# KiCad board TESTMOUNT.kicad_pcb (continued)
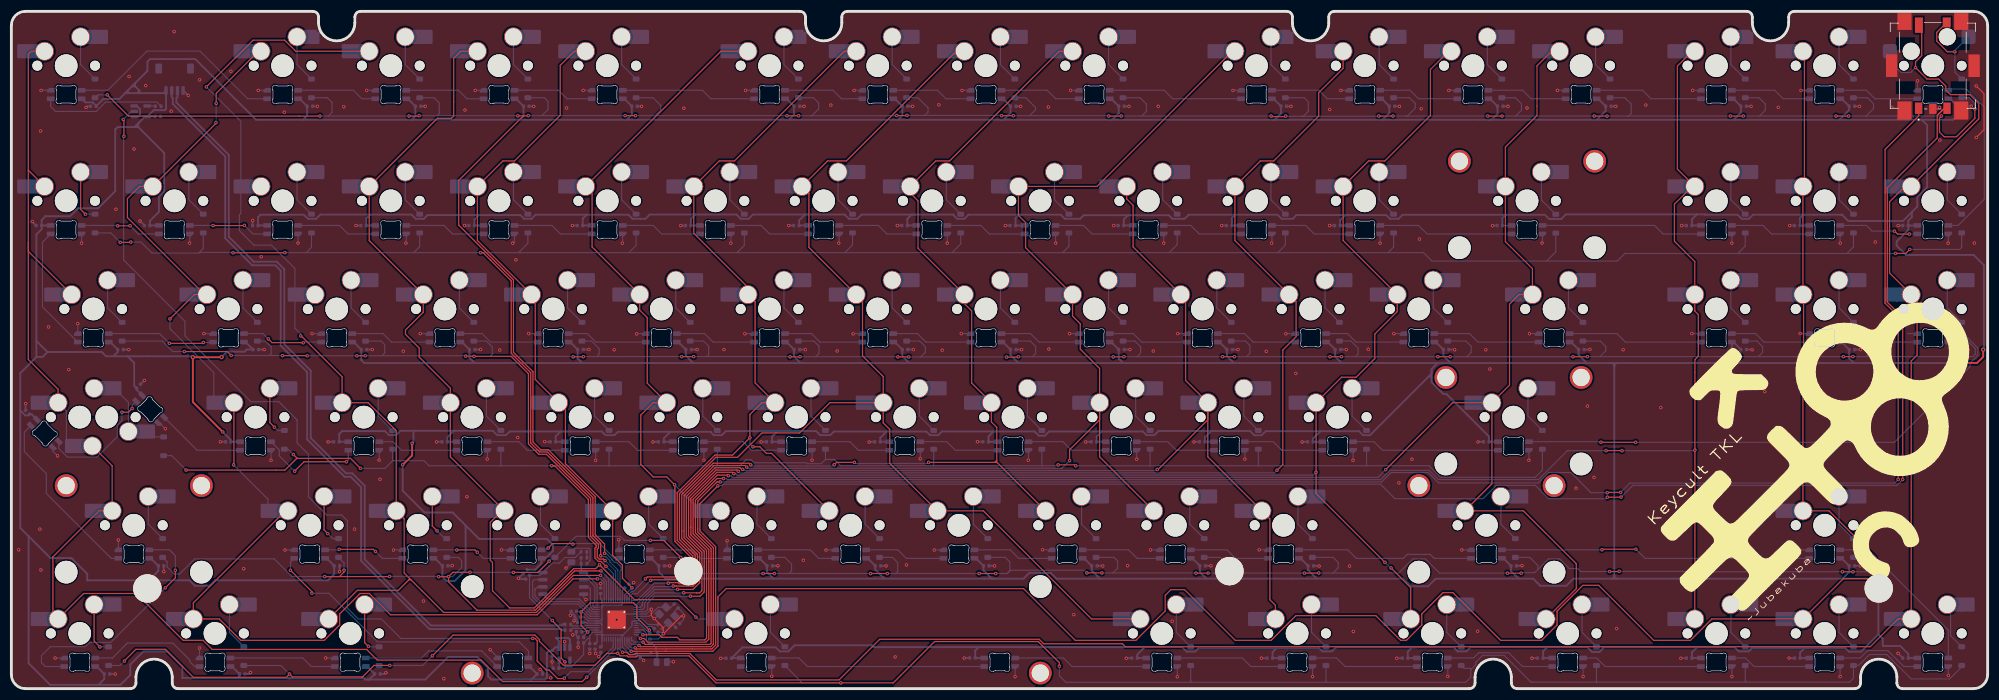
[diagram p0: board, top side]
## Routing (per net, layer and track width the routed paths; a pad name or vN(x,y) marks a point on that pad's centre or on a via; arc(x,y) is an arc through that point) (continued)
/CS_: length 10.6
  Bottom w0.2: U3.56 103.12,18.31 100.97,20.46 100.76,20.46 100.31,20.91 R5.2 100.3,22.03 R4.2 ; 100.34,20.45 100.33,20.46 100.33,21.48
/D+: length 139.6
  Bottom w0.33: R6.2 96.98,11.31 96.79,11.13 73.86,11.13 62.2,22.78 62.2,35.74 60,37.95 58.92,37.95 52.7,44.16 52.7,56.02 48.04,60.68 48.04,73.89 46.73,75.21 42.67,75.21 38.28,79.59 38.28,94.02 29.05,103.26 29.05,104.01 29.24,104.2 J1.3
/D-: length 140.6
  Bottom w0.33: J1.2 28.24,104.2 28.42,104.01 28.42,102.99 37.65,93.76 37.65,79.33 42.41,74.58 46.47,74.58 47.41,73.63 47.41,60.42 52.07,55.76 52.07,43.9 58.66,37.32 59.74,37.32 61.57,35.48 61.57,22.52 73.6,10.5 96.79,10.5 96.98,10.31 R7.1
/RGBD: length 22.2
  Bottom w0.2: R1.2 25.61,103.34 16.61,103.34 14.95,101.68 7.78,101.68 6.93,102.54 LED1.3
/ROTDI: length 17.1
  Top w0.2: S1.E 338.95,115.61 338.95,114.06 340.82,112.19 v1(342.14,112.19)
  Bottom w0.2: 342.14,112.41 v1(342.14,112.19) ; 342.14,112.41 MX16.2 ; 342.14,112.41 342.14,108.59 D16.2
/RUN_: length 7.9
  Bottom w0.2: TP1.2 113.65,4.76 R2.2 ; U3.26 110.43,10.34 110.43,10.34 111.18,10.34 111.8,9.72 111.8,8.41 112.21,8 112.74,8 113.49,7.25 113.49,6.55
/SCLK_: length 15
  Bottom w0.2: U3.52 102.07,13.14 99.9,15.32 93.17,15.32 92.18,16.31 92.18,17.52 92.2,17.52 92.61,17.92 93.55,17.92
/SD0_: length 10.9
  Bottom w0.2: 102.57,13.54 102.24,13.54 99.96,15.82 94.39,15.82 93.55,16.65 ; 102.57,13.54 102.65,13.54 ; 102.57,13.54 U3.53
/SD1_: length 6.9
  Bottom w0.2: U3.55 102.57,14.34 102.38,14.53 102.38,14.94 102.72,15.27 102.72,18.04 101.57,19.19 100.76,19.19
/SD2_: length 5.8
  Bottom w0.2: U3.54 102.45,13.94 102.42,13.97 102.38,13.97 101.93,14.42 101.93,17.56 101.57,17.92 100.76,17.92
/SD3_: length 17.4
  Bottom w0.2: 93.55,19.19 92.03,19.19 91.77,18.94 91.77,16.14 93,14.92 99.73,14.92 101.89,12.76 101.89,12.74 U3.51
/VFused_: length 2516.7
  Top w0.33: v2(37.01,58.41) 36.99,58.39 v2(31.95,58.39) 31.95,50.49 v1(37.23,45.21) ; v1(68.89,39.43) 70.55,41.09 v1(70.55,43.22) ; v2(342.89,57.38) 346.05,57.38 347.13,58.46 347.13,59.74
  Bottom w0.2: 171.26,5.41 LED90.1 ; LED31.1 264.08,81.58 C-RGB31.2 ; 342.86,57.35 v2(342.89,57.38)
  Bottom w0.33: 230.45,45.35 237.26,45.35 237.94,44.66 239.19,44.66 249.51,54.98 ; 230.45,45.35 229.17,44.07 C-RGB64.2 229.19,43.5 LED64.1 ; 230.45,45.35 220.83,45.35 220.12,44.64 218.82,44.64 218.07,45.39 211.18,45.39 ; 282.18,19.89 282.18,56.78 ; 282.18,19.89 282.18,19.86 arc(282.04,19.51) 281.69,19.37 ; 282.18,19.89 282.18,19.37 ; 282.18,19.89 arc(282.33,19.52) 282.7,19.37 282.77,19.37 ; 260.06,100.21 279.16,100.21 ; 260.06,100.21 241.46,100.21 ; 260.06,100.21 260.58,100.21 261.62,101.24 C-RGB12.2 260.31,103.91 LED12.1 ; 20.45,58.56 21.62,57.39 21.62,53.36 C-RGB52.2 22.04,52.67 LED52.1 ; 20.45,58.56 31.78,58.56 v2(31.95,58.39) ; 20.45,58.56 18.09,58.56 ; 3.03,26.86 1.57,28.32 1.57,49.01 ; 3.03,26.86 3.03,4.48 6.84,0.67 15.35,0.67 ; 3.03,26.86 6.89,23 10.59,23 13.36,20.22 13.36,19.08 24.23,19.08 ; 39.8,1.9 40.08,1.9 ; 39.8,1.9 30.11,1.9 30.11,3.89 27.45,6.55 23.24,6.55 20.94,4.25 20.94,2.4 19.21,0.67 15.35,0.67 ; 39.8,1.9 39.89,1.9 40.08,2.09 ; 40.08,1.9 40.08,2.09 ; 40.08,1.9 61.92,1.9 61.95,1.93 62.27,1.61 62.76,1.61 ; 22.56,105.33 22.26,105.03 22.26,104.91 ; 22.56,105.33 21.77,106.12 ; 22.56,105.33 22.56,104.91 ; 296.76,83.55 296.73,83.55 295.84,82.66 C-RGB32.2 295.86,81.6 LED32.1 ; 296.76,83.55 273.66,83.55 272.85,82.74 270.69,82.74 269.96,83.47 263.09,83.47 ; 296.76,83.55 298.14,83.55 298.21,83.48 303.9,83.48 304.62,82.76 305.87,82.76 306.59,83.48 315.76,83.48 ; 78.05,45.42 77.87,45.42 77.69,45.24 ; 78.05,45.42 84.77,45.42 85.53,44.66 87.08,44.66 87.73,45.31 96.61,45.31 ; 78.05,45.42 77.69,45.42 ; 322.35,19.37 322.35,19.39 323.54,20.58 C-RGB78.2 322.22,22.95 LED78.1 ; 322.35,19.37 326.75,19.37 328.68,17.44 328.68,9.56 ; 322.35,19.37 282.77,19.37 ; 250.02,54.8 249.84,54.98 249.51,54.98 ; 250.02,54.8 250.02,53.99 252.1,51.91 252.64,51.91 260.12,44.42 C-RGB65.2 260.14,43.5 LED65.1 ; 250.02,54.8 250.02,56.12 ; 154.06,45.29 161.09,45.29 161.72,44.66 163.18,44.66 163.83,45.31 172.85,45.31 ; 154.06,45.29 144.8,45.29 144.17,44.66 142.4,44.66 141.7,45.36 135.52,45.36 ; 154.06,45.29 154.06,45.28 152.97,44.19 C-RGB60.2 152.99,43.5 LED60.1 ; LED70.1 112.67,22.95 C-RGB70.2 113.98,20.58 115.19,19.37 134.2,19.37 ; 304.98,57.35 324.38,57.35 ; 304.98,57.35 304.15,57.35 302.89,58.61 LED49.1 303.17,61.05 C-RGB49.2 ; 304.98,57.35 282.75,57.35 ; 303.26,100.21 321.86,100.21 ; 303.26,100.21 303.26,100.28 304.49,101.51 C-RGB14.2 303.17,103.91 LED14.1 ; 303.26,100.21 279.16,100.21 ; LED27.1 195.85,81.6 C-RGB27.2 195.83,82.65 196.58,83.41 196.96,83.41 ; 120.46,83.52 112.38,83.52 111.63,82.76 109.35,82.76 108.64,83.48 101.26,83.48 ; 120.46,83.52 120.4,83.52 119.63,82.75 C-RGB23.2 119.65,81.6 LED23.1 ; 120.46,83.52 127.65,83.52 128.4,82.76 129.79,82.76 130.55,83.52 139.86,83.52 ; 134.2,19.37 133.03,20.54 C-RGB71.2 131.72,22.95 LED71.1 ; 134.2,19.37 153.68,19.37 ; 211.18,45.39 211.18,45.34 210.12,44.28 C-RGB63.2 210.14,43.5 LED63.1 ; 211.18,45.39 201.95,45.39 201.22,44.66 199.84,44.66 199.22,45.29 199.22,45.3 191.91,45.3 ; 79.97,28.75 77.69,31.03 72.72,31.03 68.89,34.86 v1(68.89,39.43) ; 79.97,28.75 82.35,26.37 94.31,26.37 95.36,25.32 95.36,24.3 94.01,22.95 LED69.1 93.34,22.1 92.19,20.95 C-RGB69.2 ; 79.97,28.75 79.97,20.89 78.04,18.96 76.68,18.96 75.88,19.76 C-RGB68.2 74.57,22.95 LED68.1 ; 20.38,105.26 20.61,105.03 20.61,104.91 ; 20.38,105.26 21.24,106.12 ; 20.38,105.26 20.03,104.91 ; 139.86,83.52 139.7,83.52 138.68,82.5 C-RGB24.2 138.7,81.6 LED24.1 ; 139.86,83.52 146.7,83.52 147.45,82.76 148.92,82.76 149.66,83.51 159.06,83.51 ; LED54.1 38.69,43.5 C-RGB54.2 38.67,43.77 v1(37.23,45.21) ; 321.86,100.21 321.86,100.28 323.54,101.96 C-RGB15.2 322.22,103.91 LED15.1 ; 321.86,100.21 336.33,100.21 ; 281.42,57.35 277.33,57.35 ; 281.42,57.35 281.61,57.35 arc(282.01,57.18) 282.18,56.78 ; 281.42,57.35 282.12,57.35 ; 138.96,57.35 137.8,58.51 C-RGB41.2 136.48,61.05 LED41.1 ; 138.96,57.35 158.07,57.35 ; 138.96,57.35 120.04,57.35 ; 215.46,83.48 214.88,82.9 C-RGB28.2 214.9,81.6 LED28.1 ; 215.46,83.48 222.91,83.48 223.63,82.76 225.57,82.76 226.23,83.43 235.16,83.43 ; 215.46,83.48 207.26,83.48 206.54,82.76 204.4,82.76 203.76,83.41 196.96,83.41 ; 282.18,19.37 282.77,19.37 ; 282.18,19.37 281.69,19.37 ; 120.04,57.35 100.5,57.35 ; 120.04,57.35 118.74,58.65 C-RGB40.2 117.43,61.05 LED40.1 ; 193.66,100.21 222.16,100.21 ; 193.66,100.21 193.78,100.21 194.95,101.37 C-RGB9.2 193.63,103.91 LED9.1 ; 193.66,100.21 174.26,100.21 ; 100.5,57.35 99.69,58.16 C-RGB39.2 98.38,61.05 LED39.1 ; 100.5,57.35 81.58,57.35 ; 89.56,100.21 70.46,100.21 ; 89.56,100.21 90.17,100.81 C-RGB4.2 88.86,103.91 LED4.1 ; 89.56,100.21 108.26,100.21 ; LED88.1 314.91,5.4 314.89,5.38 314.89,6.35 315.72,7.18 ; LED75.1 207.92,22.95 C-RGB75.2 209.23,20.53 210.39,19.37 ; 336.33,100.21 337.26,99.28 337.26,88.34 335.54,86.61 335.54,84.93 334.57,83.97 ; 336.33,100.21 341.78,100.21 342.59,101.01 C-RGB16.2 341.27,103.91 LED16.1 ; 296.74,7.27 280.15,7.27 280.15,7.04 279.57,6.46 278.28,6.46 277.45,7.29 270.35,7.29 ; 296.74,7.27 303.39,7.27 304.1,6.56 305.87,6.56 306.21,6.9 306.21,7.04 306.35,7.18 315.72,7.18 ; 296.74,7.27 295.84,6.37 C-RGB87.2 295.86,5.4 LED87.1 ; 158.07,57.35 177.32,57.35 ; 158.07,57.35 156.85,58.57 C-RGB42.2 155.53,61.05 LED42.1 ; 153.68,19.37 152.08,20.97 C-RGB72.2 150.77,22.95 LED72.1 ; 153.68,19.37 173.25,19.37 ; 191.62,19.37 183.98,19.37 182.96,20.39 179.21,20.39 178.19,19.37 173.25,19.37 ; 191.62,19.37 210.39,19.37 ; 191.62,19.37 190.18,20.81 C-RGB74.2 188.87,22.95 LED74.1 ; 40.08,2.09 40.16,2.17 C-RGB80.2 38.85,3.9 LED80.1 ; C-RGB17.2 5.33,80.95 4.41,80.03 4.41,61.26 ; C-RGB17.2 5.33,82.55 6.01,83.23 10.36,83.23 11.76,84.63 15.28,84.63 18.28,87.63 18.28,98.53 18.31,98.53 18.71,98.93 21.68,98.93 ; C-RGB17.2 5.35,81.6 LED17.1 ; 101.26,83.48 92.28,83.48 92.28,83.49 91.56,82.76 90.28,82.76 89.58,83.46 89.56,83.43 82.36,83.43 ; 101.26,83.48 100.58,82.8 C-RGB22.2 100.6,81.6 LED22.1 ; 81.58,57.35 80.64,58.29 C-RGB38.2 79.33,61.05 LED38.1 ; 81.58,57.35 62.14,57.35 61.59,57.9 C-RGB37.2 60.28,61.05 LED37.1 ; 315.72,7.18 322.83,7.18 323.51,6.5 325.62,6.5 328.68,9.56 ; 21.77,106.12 21.51,106.38 ; 21.77,106.12 21.77,106.65 ; 21.77,106.12 21.24,106.12 ; 21.51,106.38 21.77,106.65 ; 21.51,106.38 21.24,106.12 ; 82.36,83.43 73.26,83.43 72.59,82.76 71.2,82.76 70.46,83.51 63.16,83.51 ; 82.36,83.43 82.31,83.43 81.53,82.65 C-RGB21.2 83.11,81.58 LED21.1 ; 172.85,45.31 180.13,45.31 180.88,44.56 181.94,44.56 182.68,45.3 191.91,45.3 ; 172.85,45.31 172.85,45.25 172.02,44.42 C-RGB61.2 173.59,43.48 LED61.1 ; 22.26,104.91 20.61,104.91 ; 22.26,104.91 22.56,104.91 ; 20.61,104.91 20.03,104.91 ; 96.61,45.31 96.61,45.25 95.82,44.46 C-RGB57.2 95.84,43.5 LED57.1 ; 96.61,45.31 103.93,45.31 104.58,44.66 106.18,44.66 106.77,45.25 115.99,45.25 ; 62.76,1.61 72.9,1.61 76.88,5.59 82.03,5.59 83.93,3.69 83.93,2.17 84.5,1.6 91.32,1.6 ; 62.76,1.61 63,1.61 C-RGB81.2 62.66,3.9 LED81.1 ; LED47.1 250.78,61.05 C-RGB47.2 252.1,58.63 253.38,57.35 ; 22.33,98.93 26.91,94.36 26.91,87.63 25.98,86.7 25.98,84 24.38,82.4 C-RGB18.2 24.4,81.6 LED18.1 ; 22.33,98.93 22.33,99.58 22.46,99.71 ; 22.33,98.93 22.01,99.26 ; 22.33,98.93 21.68,98.93 ; 156.06,100.21 136.86,100.21 ; 156.06,100.21 174.26,100.21 ; 156.06,100.21 156.85,100.99 C-RGB7.2 155.53,103.91 LED7.1 ; 70.79,45.42 70.79,43.46 v1(70.55,43.22) ; 70.79,45.42 68.5,45.42 67.74,44.66 66.48,44.66 65.77,45.37 58.24,45.37 57.72,44.85 C-RGB55.2 57.74,43.5 LED55.1 ; 70.79,45.42 77.69,45.42 ; 173.25,19.37 172.59,19.37 171.13,20.83 C-RGB73.2 169.82,22.95 LED73.1 ; 174.26,100.21 174.68,100.21 175.9,101.42 C-RGB8.2 174.58,103.91 LED8.1 ; 196.96,83.41 188.78,83.41 188.14,82.76 185.48,82.76 184.76,83.48 177.76,83.48 ; 333.96,81.6 C-RGB34.2 ; C-RGB34.2 335.52,81.58 LED34.1 ; C-RGB34.2 333.94,82.44 334.57,83.07 334.57,83.97 ; C-RGB34.2 333.94,80.83 331.9,78.79 331.9,78.05 333.54,76.4 345.45,76.4 347.26,74.59 347.26,59.74 347.13,59.74 ; 250.94,57.35 250.94,57.21 250.02,56.29 250.02,56.12 ; 250.94,57.35 234.19,57.35 ; 250.94,57.35 253.38,57.35 ; 4.41,58.42 4.41,61.26 ; 4.41,58.42 1.57,55.58 1.57,49.01 ; 4.41,58.42 5.47,58.42 6.36,59.31 ; 4.41,61.26 6.36,59.31 ; 170.29,7.32 199.53,7.32 ; 170.29,7.32 151.8,7.32 151.48,7.64 137.88,7.64 136.8,6.56 135.27,6.56 134.56,7.27 128.69,7.27 C-RGB92.2 126.82,5.4 LED92.1 ; 170.29,7.32 169.68,6.71 C-RGB90.2 169.69,5.4 LED90.1 ; 199.53,7.32 198.21,6 C-RGB83.2 198.23,5.4 LED83.1 ; 199.53,7.32 206.1,7.32 206.89,6.53 208.39,6.53 208.97,7.11 222.7,7.11 ; LED2.1 50.75,103.91 C-RGB2.2 52.07,100.91 51.36,100.21 ; 281.69,19.37 274.98,19.37 273.72,18.11 269.17,18.11 267.91,19.37 265.35,19.37 ; 215.22,57.35 234.19,57.35 ; 215.22,57.35 195.73,57.35 ; 215.22,57.35 214,58.57 C-RGB45.2 212.68,61.05 LED45.1 ; LED48.1 274.6,61.05 C-RGB48.2 275.91,58.77 277.33,57.35 ; 115.99,45.25 115.99,45.24 114.87,44.12 C-RGB58.2 114.89,43.5 LED58.1 ; 115.99,45.25 123.14,45.25 123.14,45.17 123.64,44.66 125.08,44.66 125.78,45.36 135.52,45.36 ; LED51.1 341.27,61.05 C-RGB51.2 342.59,57.68 v2(342.89,57.38) ; 108.26,100.21 136.86,100.21 ; 108.26,100.21 109.22,101.17 C-RGB5.2 107.91,103.91 LED5.1 ; 136.86,100.21 137.76,101.11 137.76,102.56 C-RGB6.2 136.48,103.91 LED6.1 ; 222.7,7.11 230.25,7.11 230.8,6.56 232.46,6.56 233.18,7.28 247.28,7.28 ; 222.7,7.11 222.02,6.43 C-RGB84.2 222.04,5.4 LED84.1 ; 247.28,7.28 246.62,7.28 245.84,6.5 C-RGB85.2 245.86,5.4 LED85.1 ; 247.28,7.28 254.02,7.28 254.06,7.32 254.06,7.11 254.61,6.56 256.15,6.56 256.88,7.29 270.35,7.29 ; 177.76,83.48 168.48,83.48 167.77,82.76 166.5,82.76 165.86,83.41 165.86,83.51 159.06,83.51 ; 177.76,83.48 177.36,83.48 176.78,82.9 C-RGB26.2 178.36,81.58 LED26.1 ; 6.36,59.31 15.91,59.31 16.66,58.56 18.09,58.56 ; 334.57,83.97 332.98,82.38 323.39,82.38 322.23,83.53 322.18,83.48 315.76,83.48 ; 270.35,7.29 269.65,6.59 C-RGB86.2 269.67,5.4 LED86.1 ; 12.65,103.91 LED1.1 13.01,103.28 14.32,103.28 14.93,102.67 C-RGB1.2 16.21,103.88 19.01,103.88 20.03,104.91 ; 315.76,83.48 315.46,83.48 314.89,82.91 314.89,81.58 316.47,81.58 LED33.1 ; 15.35,0.67 15.35,0.68 16.35,1.68 C-RGB79.2 15.03,3.9 LED79.1 ; 328.68,9.56 329.46,8.78 329.46,7.51 332.55,7.51 333.94,6.12 C-RGB89.2 333.96,5.4 LED89.1 ; LED50.1 322.22,61.05 C-RGB50.2 323.54,58.19 324.38,57.35 ; 77.69,45.24 76.77,44.32 C-RGB56.2 76.79,43.5 LED56.1 ; 77.69,45.24 77.69,45.42 ; 282.18,56.78 282.18,57.29 282.12,57.35 ; 282.18,56.78 arc(282.35,57.18) 282.75,57.35 ; 63.16,83.51 63.16,83.48 62.48,82.8 C-RGB20.2 62.5,81.6 LED20.1 ; 63.16,83.51 54.38,83.51 53.64,82.76 52.2,82.76 51.49,83.48 43.86,83.48 43.43,83.05 C-RGB19.2 43.45,81.6 LED19.1 ; 191.91,45.3 191.91,45.29 191.07,44.45 C-RGB62.2 191.09,43.5 192.66,43.5 ; 18.09,58.56 18.09,58.69 18.73,59.33 C-RGB35.2 17.42,61.05 LED35.1 ; 279.16,100.21 279.16,100.28 280.67,101.79 C-RGB13.2 279.36,103.91 LED13.1 ; LED10.1 222.21,103.91 C-RGB10.2 223.52,101.34 222.38,100.21 222.16,100.21 ; LED25.1 157.75,81.6 C-RGB25.2 157.73,82.75 158.48,83.51 159.06,83.51 ; 51.36,100.21 43.08,100.21 32.38,110.91 24.43,110.91 23.95,110.42 23.95,108.82 21.77,106.65 ; 51.36,100.21 70.46,100.21 ; 135.52,45.36 134.87,45.36 133.92,44.41 C-RGB59.2 133.94,43.5 135.51,43.5 ; 22.56,104.91 26.78,104.91 J1.1 27.24,102.14 27,101.91 25.07,101.91 U1.5 ; 210.39,19.37 229.8,19.37 ; 22.01,99.26 21.68,98.93 ; 22.01,99.26 22.46,99.71 ; 24.23,19.08 31.36,19.08 32.33,18.11 34.91,18.11 35.88,19.08 55.75,19.08 56.83,20.16 C-RGB67.2 55.52,22.95 LED67.1 ; 24.23,19.08 24.23,19.11 25.87,20.75 C-RGB66.2 24.56,22.95 LED66.1 ; 91.32,1.6 91.57,1.6 C-RGB82.2 91.23,3.9 LED82.1 ; 91.32,1.6 94,1.6 94.27,1.87 94.27,6.27 94.72,6.72 C18.1 95.77,7.29 U4.1 96.44,8.39 96.43,8.39 95.88,8.94 98.04,8.94 98.34,8.64 U4.3 ; U1.5 23.96,100.81 C1.2 ; U1.5 23.5,100.75 22.46,99.71 ; 253.38,57.35 277.33,57.35 ; LED11.1 241.26,103.91 C-RGB11.2 242.57,101.39 241.46,100.28 241.46,100.21 ; 1.57,49.01 2.44,48.13 2.96,48.13 C-RGB53.2 3.54,48.35 LED53.1 ; 282.12,57.35 282.75,57.35 ; 234.19,57.35 233.05,58.49 C-RGB46.2 231.73,61.05 LED46.1 ; 195.73,57.35 194.95,58.13 C-RGB44.2 193.63,61.05 LED44.1 ; 195.73,57.35 177.32,57.35 ; 177.32,57.35 175.9,58.77 C-RGB43.2 174.58,61.05 LED43.1 ; 265.35,19.37 264,20.72 C-RGB77.2 262.69,22.95 LED77.1 ; 265.35,19.37 250.75,19.37 249.4,18.02 246.43,18.02 245.08,19.37 229.8,19.37 ; LED36.1 41.23,61.05 C-RGB36.2 41.44,59.74 41.07,59.36 37.96,59.36 v2(37.01,58.41) ; 241.46,100.21 222.16,100.21 ; 229.8,19.37 228.28,20.89 C-RGB76.2 226.97,22.95 LED76.1 ; 263.09,83.47 262.51,82.9 C-RGB31.2 ; 263.09,83.47 244.91,83.47 244.21,82.76 242.7,82.76 242.04,83.43 235.16,83.43 ; 235.16,83.43 234.81,83.43 233.93,82.55 C-RGB29.2 233.95,81.6 LED29.1 ; 324.38,57.35 342.86,57.35 ; 250.02,56.12 250.02,55.49 249.51,54.98 ; LED3.1 69.8,103.91 C-RGB3.2 71.12,100.86 70.46,100.21
  vias: v2(347.13,59.72)
/XIN_: length 7.6
  Bottom w0.2: U3.20 112.25,12.74 113.85,14.34 Y1.3 116.14,14.34 C20.2
/XOUT_: length 4.3
  Bottom w0.2: U3.21 110.97,12.34 112.01,11.3 R8.2
GP0: length 220.3
  Top w0.2: MX2.1 43.48,112.28 36.06,104.87 v1(36.06,103.09) ; v1(27.92,65.14) 32.2,69.42 MX36.1 34,69.42 20.43,82.99 20.43,86.34 22.56,88.47 MX18.1 36.02,99.6 v1(36.02,99.71) ; v1(39.12,39.41) 39.18,39.47 MX54.1 ; 48.7,31.32 48.24,31.32 32.03,15.12 MX80.1 36.62,12.27 40.39,8.5 55.08,8.5 57.8,11.22 57.8,13.17 61.39,16.76 63,16.76 66.75,13.02 92.57,13.02 98.89,19.34 v1(103.17,19.34)
  Bottom w0.2: v1(36.06,103.09) 36.06,99.75 v1(36.02,99.71) ; U3.2 104.36,18.74 103.76,19.34 v1(103.17,19.34) ; MX54.1 35.63,55.69 27.92,63.4 v1(27.92,65.14) ; v1(39.12,39.41) 45.15,33.38 MX67.1
GP1: length 203.8
  Top w0.2: v1(103.73,19.94) 98.92,19.94 92.4,13.42 76.1,13.42 70.34,19.18 ; 70.09,19.44 70.09,19.28 69.99,19.18 ; 70.09,19.44 69.15,20.37 69.15,29.92 MX68.1 67.75,45.43 62.81,50.37 MX55.1 58.23,54.94 51.02,62.14 v1(50.94,62.14) ; 70.09,19.44 70.34,19.18 ; 70.34,19.18 69.99,19.18 ; 69.99,19.18 68.14,17.33 60.91,17.33 MX81.1 ; v1(34.33,106.01) 42.55,114.23 48.12,114.23 50.07,112.28 MX3.1
  Bottom w0.2: MX19.1 MX19.1 ; MX19.1 40.39,83.71 40.13,83.45 40.13,80.71 42.72,78.12 45.8,78.12 49.92,74 MX37.1 49.92,63.51 50.94,62.49 v1(50.94,62.14) ; MX19.1 40.39,99.95 v1(34.33,106.01) ; v1(103.73,19.94) 104.76,18.91 U3.3
GP2: length 418
  Top w0.2: v1(230.15,20.37) 230.13,20.35 v1(227.63,20.35) ; v1(208.54,20.34) 210.67,20.34 v1(210.68,20.35) ; v1(76.96,19.74) 77.72,20.5 v1(80.74,20.5) ; v1(76.96,19.74) 76.96,18.83 81.97,13.82 92.24,13.82 99.15,20.74 v1(103.78,20.74) ; v1(76.96,19.74) 76.94,19.72 v1(75.22,19.72) ; v1(170.37,20.28) v1(173.31,20.28) ; v1(263.37,20.34) 265.79,20.34 v1(265.79,20.34) ; v1(112.48,26.12) 114.84,26.12 v1(117.85,23.11) ; v1(322.35,20.59) v1(324.2,20.59) ; v1(281.37,20.63) 283.02,20.63 v1(283.05,20.66) ; v1(88.38,20.47) 92.69,20.47 v1(94.68,22.46) ; v1(151.26,20.28) v1(154.21,20.28) ; v1(66.59,19.77) 66.56,19.75 v1(55.16,19.75) 57.76,19.75 58.56,20.54 v1(58.56,20.84) ; v1(191.98,20.39) 191.97,20.4 v1(189.34,20.4) ; v1(132.34,20.28) v1(134.33,20.28)
  Bottom w0.2: v1(88.38,20.47) 88.35,20.5 v1(80.74,20.5) ; v1(112.48,26.12) 107.92,26.12 107.2,26.84 99.4,26.84 D69.1 95.35,23.13 v1(94.68,22.46) ; D75.1 212.85,23.13 213.7,22.28 213.7,20.78 213.27,20.35 ; 155.67,20.28 156.04,20.65 156.04,22.19 155.1,23.13 D72.1 ; 155.67,20.28 v1(170.37,20.28) ; 155.67,20.28 v1(154.21,20.28) ; 294.24,20.66 294.31,20.59 v1(322.35,20.59) ; 294.24,20.66 294.36,20.66 ; 294.24,20.66 v1(283.05,20.66) ; 175.3,20.28 175.78,20.76 175.78,22.31 174.96,23.13 D73.1 ; 175.3,20.28 175.88,20.86 188.88,20.86 v1(189.34,20.4) ; 175.3,20.28 v1(173.31,20.28) ; 268.75,21 268.75,21.69 267.31,23.13 D77.1 ; 268.75,21 270.62,22.87 272.56,22.87 274.28,21.15 275.74,21.15 276.26,20.63 v1(281.37,20.63) ; 268.75,21 268.19,20.44 265.89,20.44 v1(265.79,20.34) ; 136.87,20.28 v1(151.26,20.28) ; 136.87,20.28 v1(134.33,20.28) ; 136.87,20.28 137.35,20.76 137.35,21.95 136.17,23.13 D71.1 ; v1(263.37,20.34) 263.36,20.35 251.44,20.35 248.92,22.87 246.76,22.87 244.26,20.37 232.67,20.37 ; v1(76.96,19.74) 77.67,19.74 79.26,21.33 79.26,22.54 78.67,23.13 D68.1 ; v1(103.78,20.74) 105.16,19.36 U3.4 ; 213.27,20.35 v1(227.63,20.35) ; 213.27,20.35 v1(210.68,20.35) ; D78.1 326.14,23.13 327.2,22.07 327.2,21.25 326.54,20.59 v1(324.2,20.59) ; D66.1 27.41,22.35 27.41,21.46 28.69,20.18 29.59,20.18 32.28,22.87 46.27,22.87 49.39,19.75 v1(55.16,19.75) ; v1(191.98,20.39) 193.94,20.39 ; 193.94,20.39 208.49,20.39 v1(208.54,20.34) ; 193.94,20.39 194.75,21.2 194.75,22.5 194.12,23.13 D74.1 ; 232.67,20.37 v1(230.15,20.37) ; 232.67,20.37 233.58,21.28 233.58,22.24 232.69,23.13 D76.1 ; v1(66.59,19.77) 66.6,19.78 75.15,19.78 v1(75.22,19.72) ; D70.1 117.83,23.13 v1(117.85,23.11) 120.68,20.28 v1(132.34,20.28) ; D67.1 58.56,22.16 v1(58.56,20.84)
GP3: length 174.5
  Top w0.2: v1(120.51,12.59) 117.42,15.68 109.69,15.68 v1(103.55,21.82) 102.87,21.14 98.99,21.14 92.07,14.22 87.72,14.22 84.7,17.24 84.7,22.23 84.31,22.62 84.31,29.29 86.34,31.32 MX69.1 77.28,40.84 MX56.1 77.28,52.93 71.8,58.41 71.8,60 69.38,62.42 69.38,63.17 72.53,66.32 72.52,66.33 MX38.1 62.99,78.94 MX20.1 74.99,100.47 77.46,100.47 77.86,100.87 77.86,103.36 77.87,103.37 77.87,111.05 79.1,112.28 MX4.1
  Bottom w0.2: U3.5 105.56,19.81 v1(103.55,21.82) ; v1(120.51,12.59) 120.83,12.27 MX82.1
GP4: length 312.1
  Top w0.2: v1(95.11,39.26) 95.64,39.26 101.58,33.33 101.58,26.63 102.94,25.27 102.94,24.94 102.74,24.74 102.74,23.01 103.33,22.42 103.8,22.42 v1(104.68,21.53) ; 50.24,40.57 59.69,40.57 v1(61.45,38.81) ; 50.24,40.57 50.24,40.65 v1(49.65,41.24) ; 50.24,40.57 48.17,38.5 v1(30.77,38.5) ; v1(187.38,39.26) 187.22,39.42 v1(184.28,39.42)
  Bottom w0.2: D62.1 200.47,39.29 200.44,39.26 ; 67.12,40.16 D55.1 ; 67.12,40.16 65.77,38.81 v1(61.45,38.81) ; 67.12,40.16 72.62,40.16 73.52,39.26 86.23,39.26 ; 181.41,39.26 181.42,39.27 D61.1 ; 181.41,39.26 184.18,39.26 184.18,39.32 v1(184.28,39.42) ; 181.41,39.26 162.39,39.26 ; D53.1 28.23,41.04 v1(30.77,38.5) ; 105.21,39.26 86.23,39.26 ; 105.21,39.26 124.25,39.26 ; 105.21,39.26 105.22,39.27 D57.1 ; 219.57,39.26 238.65,39.26 ; 219.57,39.26 200.44,39.26 ; 219.57,39.26 219.52,39.31 D63.1 ; 238.65,39.26 249.54,39.26 251.57,37.23 268.26,37.23 269.52,38.49 D65.1 ; 238.65,39.26 238.57,39.34 D64.1 ; 200.44,39.26 v1(187.38,39.26) ; D54.1 48.71,42.18 v1(49.65,41.24) ; D60.1 162.37,39.28 162.39,39.26 ; 162.39,39.26 146.01,39.26 144.89,40.38 143.32,40.38 ; 86.23,39.26 86.17,39.32 D56.1 ; 143.32,40.38 142.57,39.63 140.13,39.63 139.97,39.79 130.75,39.79 130.21,40.33 129.33,40.33 128.26,39.26 124.25,39.26 ; 143.32,40.38 D59.1 ; v1(104.68,21.53) 105.96,20.26 U3.6 ; 124.25,39.26 124.27,39.28 D58.1
GP5: length 476
  Top w0.2: v1(195.86,58.48) 195.83,58.45 v1(193.97,58.45) ; v1(60.82,58.63) 62.3,58.63 v1(62.31,58.64) ; 341.53,58.49 v1(341.53,58.49) v1(343.64,58.49) 343.65,58.49 ; v1(302.03,58.49) v1(304.39,58.49) ; v1(253.3,58.47) 253.29,58.48 v1(251.12,58.48) ; v1(52.08,58.64) 52.06,58.66 v1(47.74,58.66) ; v1(232.14,58.48) v1(234.15,58.48) ; v1(156.05,58.44) v1(157.97,58.44) ; v1(137.08,58.45) 138.81,58.45 v1(138.84,58.48) ; v1(38.7,58.7) 38.01,59.38 v1(30.44,59.38) ; v1(324.2,58.5) 324.19,58.49 v1(322.51,58.49) ; v1(100.7,58.47) 100.69,58.46 v1(98.9,58.46) ; v1(120.12,58.5) 120.11,58.49 v1(118,58.49) ; v1(274.91,58.47) 277.43,58.47 v1(277.45,58.49) ; v1(175.2,58.41) 177.21,58.41 v1(177.27,58.47) ; v1(213.24,58.48) v1(215.31,58.48) ; v1(104.52,22.56) 104.25,22.82 103.49,22.82 103.14,23.17 103.14,24.56 103.34,24.76 103.34,25.44 101.98,26.8 101.98,33.49 94.18,41.29 92.85,41.29 91.03,43.11 91.03,55.49 87.98,58.53 v1(81.45,58.53) 81.41,58.57 v1(79.98,58.57)
  Bottom w0.2: 236.63,58.48 v1(251.12,58.48) ; 236.63,58.48 v1(234.15,58.48) ; 236.63,58.48 237.1,58.95 237.1,59.97 235.84,61.23 D46.1 ; D50.1 326.45,61.23 327.36,60.32 327.36,59.27 326.58,58.49 ; 217.41,58.48 v1(232.14,58.48) ; 217.41,58.48 218.04,59.11 218.04,60.45 217.26,61.23 D45.1 ; 217.41,58.48 v1(215.31,58.48) ; 307.56,58.49 308.3,59.23 308.3,60.23 307.3,61.23 D49.1 ; 307.56,58.49 v1(322.51,58.49) ; 307.56,58.49 v1(304.39,58.49) ; 103.06,58.5 100.73,58.5 v1(100.7,58.47) ; 103.06,58.5 117.99,58.5 v1(118,58.49) ; 103.06,58.5 103.47,58.91 103.47,59.9 102.14,61.23 D39.1 ; v1(157.97,58.44) 160.1,58.44 ; 160.1,58.44 175.17,58.44 v1(175.2,58.41) ; 160.1,58.44 160.9,59.24 160.9,60.24 159.91,61.23 D42.1 ; D38.1 83.62,61.23 84.66,60.19 84.66,58.9 84.29,58.53 ; D41.1 141.28,61.23 142.18,60.33 142.18,59.05 141.61,58.48 ; 84.29,58.53 98.83,58.53 v1(98.9,58.46) ; 84.29,58.53 v1(81.45,58.53) ; 256.22,58.47 256.99,59.24 256.99,60.31 256.07,61.23 D47.1 ; 256.22,58.47 v1(274.91,58.47) ; 256.22,58.47 v1(253.3,58.47) ; v1(52.08,58.64) 60.81,58.64 v1(60.82,58.63) ; v1(138.84,58.48) 141.61,58.48 ; 141.61,58.48 156.01,58.48 v1(156.05,58.44) ; v1(195.86,58.48) 198.18,58.48 ; 198.18,58.48 v1(213.24,58.48) ; 198.18,58.48 198.8,59.1 198.8,60.23 197.8,61.23 D44.1 ; v1(193.97,58.45) 193.95,58.47 179.76,58.47 ; v1(343.64,58.49) 343.65,58.49 345.31,58.49 345.74,58.92 345.74,59.89 344.4,61.23 D51.1 ; 326.58,58.49 341.52,58.49 ; 326.58,58.49 324.22,58.49 v1(324.2,58.5) ; 341.52,58.49 v1(341.53,58.49) ; 341.52,58.49 341.53,58.49 ; 65.22,58.64 79.91,58.64 v1(79.98,58.57) ; 65.22,58.64 v1(62.31,58.64) ; 65.22,58.64 65.72,59.14 65.72,60.59 65.08,61.23 D37.1 ; 279.65,58.49 v1(302.03,58.49) ; 279.65,58.49 v1(277.45,58.49) ; 279.65,58.49 280.68,59.52 280.68,60.26 279.71,61.23 D48.1 ; D36.1 44.72,61.23 45.74,60.21 45.74,59.02 45.41,58.69 45.33,58.69 ; D43.1 179.36,61.23 180.32,60.27 180.32,59.03 179.76,58.47 ; v1(177.27,58.47) 179.76,58.47 ; 122.43,58.5 137.03,58.5 v1(137.08,58.45) ; 122.43,58.5 v1(120.12,58.5) ; 122.43,58.5 122.76,58.83 122.76,60.33 121.86,61.23 D40.1 ; 45.33,58.69 38.7,58.69 v1(38.7,58.7) ; 45.33,58.69 47.71,58.69 v1(47.74,58.66) ; U3.7 106.36,20.71 v1(104.52,22.56) ; v1(30.44,59.38) 28.41,59.38 26.56,61.23 D35.1